# KiCad board austin.kicad_pcb (continued)
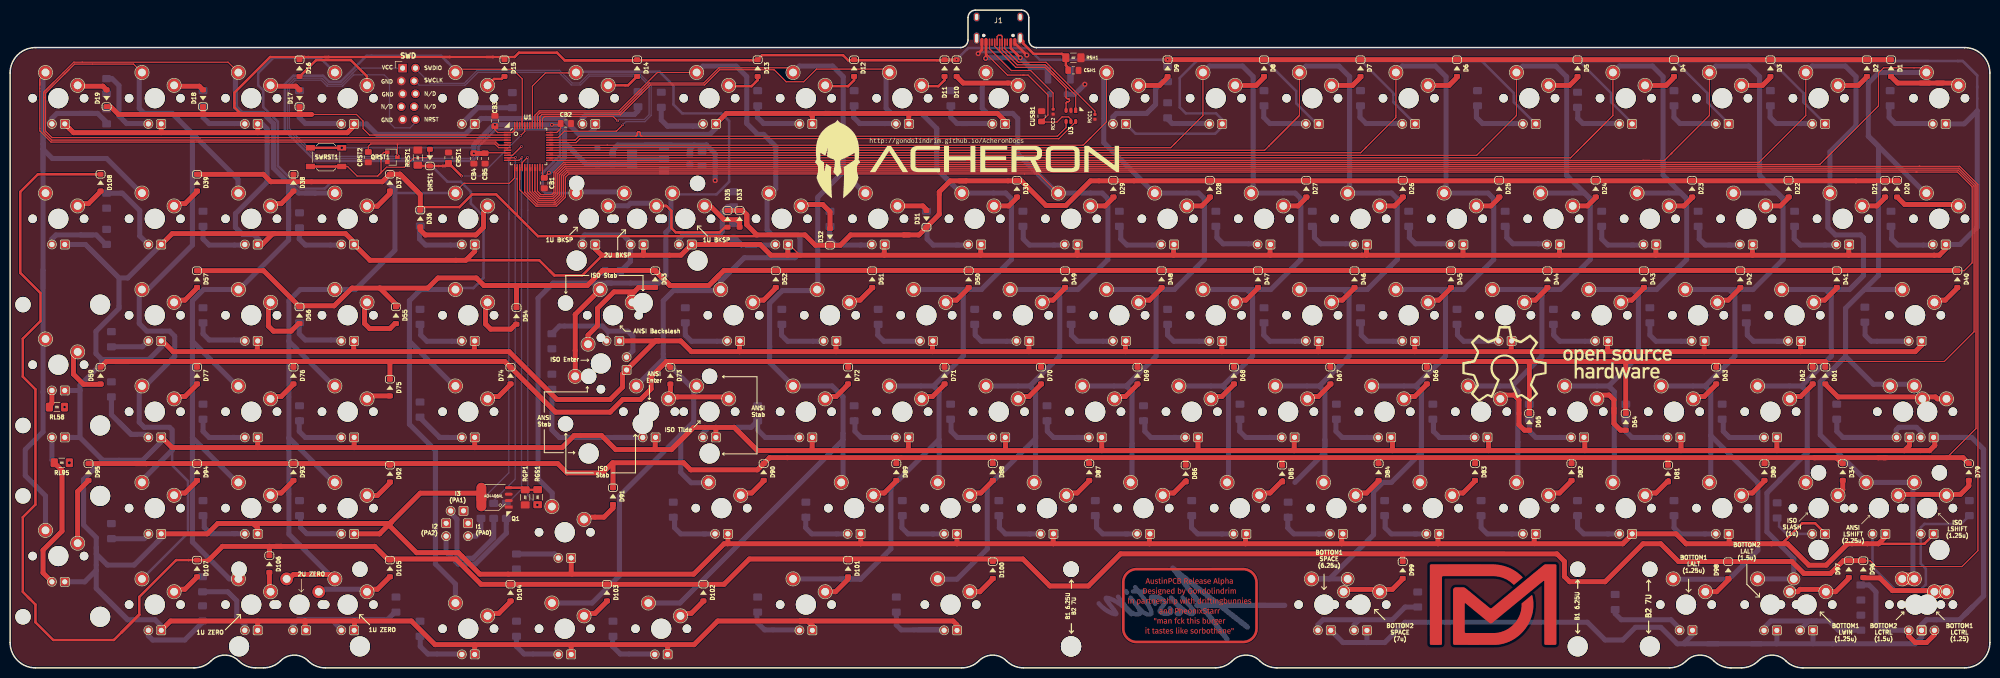
[diagram p0: board, top side]
## Placement (name value [footprint] x y rotation side) (continued)
SW81  MXSwitch  [MX100]  319.09 31.55 0 top
SW82  MXSwitch  [MX100]  300.04 31.55 0 top
SW83  MXSwitch  [MX100]  280.99 31.55 0 top
SW84  MXSwitch  [MX100]  261.94 31.55 0 top
SW85  MXSwitch  [MX100]  242.89 31.55 0 top
SW86  MXSwitch  [MX100]  223.84 31.55 0 top
SW87  MXSwitch  [MX100]  204.79 31.55 0 top
SW88  MXSwitch  [MX100]  185.74 31.55 0 top
SW89  MXSwitch  [MX100]  166.69 31.55 0 top
SW90  MXSwitch  [MX175]  140.49 31.55 0 top
SW91  MXSwitch  [MX100]  109.54 26.78 0 top
SW92  MXSwitch  [MX100]  66.67 31.55 0 top
SW93  MXSwitch  [MX100]  47.62 31.55 0 top
SW94  MXSwitch  [MX100]  28.58 31.55 0 top
SW95  MXSwitch  [MX200RV]  9.53 22.02 270 top
SW96  MXSwitch  [MX125]  378.62 12.5 0 top
SW97  MXSwitch  [MX125#2]  354.81 12.5 0 top
SW98  MXSwitch  [MX125]  330.99 12.5 0 top
SW99  MXSwitch  [MX625R]  259.56 12.5 0 top
SW100  MXSwitch  [MX150]  185.74 12.5 0 top
SW101  MXSwitch  [MX150]  157.16 12.5 0 top
SW102  MXSwitch  [MX100]  128.59 7.73 0 top
SW103  MXSwitch  [MX100]  109.54 7.73 0 top
SW104  MXSwitch  [MX100]  90.49 7.73 0 top
SW105  MXSwitch  [MX100]  66.67 12.5 0 top
SW106  MXSwitch  [MX100]  47.62 12.5 0 top
SW107  MXSwitch  [MX100]  28.58 12.5 0 top
SW108  MXSwitch  [MX100]  9.53 88.7 0 top
SW109  MXSwitch  [MX150]  376.24 12.5 0 top
SW110  MXSwitch  [MX150#2]  347.66 12.5 0 top
SW111  MXSwitch  [MX700R]  266.7 12.5 0 top
SW112  MXSwitch  [MX200]  57.15 12.5 0 top
SW113  MXSwitch  [MX_ISOEnter]  116.68 60.12 0 top
SW114  MXSwitch  [MX100]  138.11 50.6 0 top
SWRST1  SW_Push  [smdPushBtn]  62.4 100.87 0 top
U1  STM32F072_LQFP48  [LQFP-48_7x7mm_P0.5mm]  102.39 102.98 0 top
U2  TLV1117-33  [SOT-223-3_TabPin2]  126 100.51 180 bottom
U3  USBLC6-2SC6  [SOT-23-6]  209.5 109.01 270 top

## Footprints (pads in the part's own frame, mm; a bottom-side part is the same pattern mirrored in y, then rotated)
austinLogo_16x40_Plated
  custom 5.381x4.192 smd: 1(0.508,-1.905)
  custom 23.117x15.042 smd: 1(1.778,5.08)
  custom 4.954x4.287 smd: 1(5.588,0.508)
  custom 11.309x6.272 smd: 1(10.287,-1.143)
  custom 1.175x1.223 smd: 1(12.954,2.413)
C_0805_2012Metric_Pad1.15x1.40mm_HandSolder
  rrect 1.15x1.4 smd: 1(-1.025,0) 2(1.025,0)
D_SOD-123
  rrect 1x1.2 smd: 1(-1.65,0) 2(1.65,0)
driftMechanics_logo
  custom 20.416x15.917 smd: 1(-0.35,-2.1)
  custom 18.321x15.922 smd: 2(-11.4,6.8)
Fuse_1812_4532Metric_Pad1.30x3.40mm_HandSolder
  rrect 1.3x3.4 smd: 1(-2.225,0) 2(2.225,0)
LED_THT_2.54mm
  round 1.524 hole 1.016: A(-1.27,0)
  rrect 1.524x1.524 hole 0.991: K(1.27,0)
LQFP-48_7x7mm_P0.5mm
  rect 1.475x0.3 smd: 1(-4.162,2.75)
  rrect 1.475x0.3 smd: 2(-4.162,2.25) 3(-4.162,1.75) 4(-4.162,1.25) 5(-4.162,0.75) 6(-4.162,0.25) 7(-4.162,-0.25) 8(-4.162,-0.75) 9(-4.162,-1.25) 10(-4.162,-1.75) 11(-4.162,-2.25) 12(-4.162,-2.75) 25(4.162,-2.75) 26(4.162,-2.25) 27(4.162,-1.75) 28(4.162,-1.25) 29(4.162,-0.75) 30(4.162,-0.25) 31(4.162,0.25) 32(4.162,0.75) 33(4.162,1.25) 34(4.162,1.75) 35(4.162,2.25) 36(4.162,2.75)
  rrect 0.3x1.475 smd: 13(-2.75,-4.162) 14(-2.25,-4.162) 15(-1.75,-4.162) 16(-1.25,-4.162) 17(-0.75,-4.162) 18(-0.25,-4.162) 19(0.25,-4.162) 20(0.75,-4.162) 21(1.25,-4.162) 22(1.75,-4.162) 23(2.25,-4.162) 24(2.75,-4.162) 37(2.75,4.162) 38(2.25,4.162) 39(1.75,4.162) 40(1.25,4.162) 41(0.75,4.162) 42(0.25,4.162) 43(-0.25,4.162) 44(-0.75,4.162) 45(-1.25,4.162) 46(-1.75,4.162) 47(-2.25,4.162) 48(-2.75,4.162)
MX100
  round 1.702 hole 1.702 unplated: (-5.08,0) (5.08,0)
  round 3.988 hole 3.988 unplated: (0,0)
  round 2.54 hole 1.525: 1(-2.54,5.08) 2(3.81,2.54)
MX125
  round 1.702 hole 1.702 unplated: (-5.08,0) (5.08,0)
  round 3.988 hole 3.988 unplated: (0,0)
  round 2.54 hole 1.524: 1(-2.54,5.08) 2(3.81,2.54)
MX125#2
  round 1.702 hole 1.702 unplated: (-5.08,0) (5.08,0)
  round 3.988 hole 3.988 unplated: (0,0)
  round 2.2 hole 1.524: 1(-2.54,5.08)
  round 2.54 hole 1.524: 2(3.81,2.54)
MX150
  round 1.702 hole 1.702 unplated: (-5.08,0) (5.08,0)
  round 3.988 hole 3.988 unplated: (0,0)
  round 2.54 hole 1.524: 1(-2.54,5.08) 2(3.81,2.54)
MX150#2
  round 1.702 hole 1.702 unplated: (-5.08,0) (5.08,0)
  round 3.988 hole 3.988 unplated: (0,0)
  round 2.54 hole 1.524: 1(-2.54,5.08)
  round 2.2 hole 1.524: 2(3.81,2.54)
MX175
  round 1.702 hole 1.702 unplated: (-5.08,0) (5.08,0)
  round 3.988 hole 3.988 unplated: (0,0)
  round 2.54 hole 1.524: 1(-2.54,5.08) 2(3.81,2.54)
MX200
  round 3.048 hole 3.048 unplated: (-11.938,6.985) (11.938,6.985)
  round 3.988 hole 3.988 unplated: (-11.938,-8.255) (0,0) (11.938,-8.255)
  round 1.702 hole 1.702 unplated: (-5.08,0) (5.08,0)
  round 2.54 hole 1.524: 1(-2.54,5.08) 2(3.81,2.54)
MX200RV
  round 3.988 hole 3.988 unplated: (-11.938,8.255) (-0.064,0) (11.938,8.255)
  round 3.048 hole 3.048 unplated: (-11.938,-6.985) (11.938,-6.985)
  round 1.702 hole 1.702 unplated: (-0.064,5.08) (-0.064,-5.08)
  round 2.54 hole 1.524: 1(-5.144,-2.54) 2(-2.603,3.81)
MX225
  round 3.048 hole 3.048 unplated: (-11.938,6.985) (11.938,6.985)
  round 3.988 hole 3.988 unplated: (-11.938,-8.255) (0,0) (11.938,-8.255)
  round 1.702 hole 1.702 unplated: (-5.08,0) (5.08,0)
  round 2.54 hole 1.524: 1(-2.54,5.08) 2(3.81,2.54)
MX625R
  round 3.048 hole 3.048 unplated: (-50.038,6.985) (50.038,6.985)
  round 3.988 hole 3.988 unplated: (-50.038,-8.255) (0,0) (50.038,-8.255)
  round 1.702 hole 1.702 unplated: (-5.08,0) (5.08,0)
  round 2.54 hole 1.524: 1(-2.54,5.08)
  round 2.2 hole 1.524: 2(3.81,2.54)
MX700R
  round 3.048 hole 3.048 unplated: (-57.15,6.985) (57.15,6.985)
  round 3.988 hole 3.988 unplated: (-57.15,-8.255) (0,0) (57.15,-8.255)
  round 1.702 hole 1.702 unplated: (-5.08,0) (5.08,0)
  round 2.2 hole 1.524: 1(-2.54,5.08)
  round 2.54 hole 1.524: 2(3.81,2.54)
MX_ISOEnter
  round 3.048 hole 3.048 unplated: (-6.985,11.938) (-6.985,-11.938)
  round 1.702 hole 1.702 unplated: (0,5.08) (0,-5.08)
  round 3.988 hole 3.988 unplated: (0,0) (8.255,11.938) (8.255,-11.938)
  round 2.54 hole 1.524: 1(-5.08,-2.54) 2(-2.54,3.81)
PinHeader_2x05_P2.54mm_Vertical
  rect 1.7x1.7 hole 1: 1(0.127,0)
  oval 1.7x1.7 hole 1: 2(2.667,0) 3(-0.127,-2.54) 4(2.413,-2.54) 5(0.127,-5.08) 6(2.667,-5.08) 7(-0.127,-7.62) 8(2.413,-7.62) 9(0.127,-10.16) 10(2.667,-10.16)
R_0402_1005Metric
  rrect 0.59x0.64 smd: 1(-0.485,0) 2(0.485,0)
R_SMD_1026
  rrect 1.425x1.75 smd: 1(-1.488,0) 2(1.488,0)
smdPushBtn
  rect 1.8x1.1 smd: 1(-3.1,1.85) 1(3.1,1.85) 2(-3.1,-1.85) 2(3.1,-1.85)
SOIC-8
  rect 1.55x0.6 smd: 1(-2.7,1.905)
  rrect 1.55x0.6 smd: 2(-2.7,0.635) 3(-2.7,-0.635) 4(-2.7,-1.905) 5(2.7,-1.905) 6(2.7,-0.635) 7(2.7,0.635) 8(2.7,1.905)
SOT-23
  rect 0.9x0.8 smd: 1(-1,0.95) 2(-1,-0.95) 3(1,0)
SOT-23-6
  rect 1.06x0.65 smd: 1(-1.1,0.95)
  rrect 1.06x0.65 smd: 2(-1.1,0) 3(-1.1,-0.95) 4(1.1,-0.95) 5(1.1,0) 6(1.1,0.95)
SOT-223-3_TabPin2
  rect 2x1.5 smd: 1(-3.15,2.3) 2(-3.15,0) 3(-3.15,-2.3)
  rect 2x3.8 smd: 2(3.15,0)
TYPE-C-31-M-12
  round 0.65 hole 0.65 unplated: (-2.89,-2.051) (2.89,-2.051)
  rrect 0.6x1.45 smd: A1(-3.25,-1.275) A4(-2.45,-1.275) B1(3.25,-1.275) B4(2.45,-1.275)
  rrect 0.3x1.45 smd: A5(-1.25,-1.275) A6(-0.254,-1.275) A7(0.25,-1.275) A8(1.25,-1.275) B5(1.75,-1.275) B6(0.75,-1.275) B7(-0.75,-1.275) B8(-1.75,-1.275)
  oval 1x2.1 hole 0.6x1.7: S(-4.3,-1.5) S(4.3,-1.5)
  oval 1.3x2.4 smd far side: S(-4.3,-1.5) S(4.3,-1.5)
  oval 1x1.6 hole 0.6x1.2: S(-4.3,-5.7) S(4.3,-5.7)
  oval 1.3x1.9 smd far side: S(-4.3,-5.7) S(4.3,-5.7)

## Nets
3.3V: CB1.1 CB2.1 CB3.1 CB4.1 CB5.1 CRO1.2 DS33.2 J5.1 SWRST1.1 U1.1 U1.9 U1.24 U1.36 U1.48 U2.2
5V: CF1.2 DF1.1 DS33.1 F1.1 RF1.1 RL1.1 RL2.1 RL3.1 RL4.1 RL5.1 RL6.1 RL7.1 RL8.1 RL9.1 RL10.1 RL11.1 RL12.1 RL13.1 RL14.1 RL15.1 RL16.1 RL17.1 RL18.1 RL19.1 RL20.1 RL21.1 RL22.1 RL23.1 RL24.1 RL25.1 RL26.1 RL27.1 RL28.1 RL29.1 RL30.1 RL31.1 RL32.1 RL33.1 RL34.1 RL35.1 RL36.1 RL37.1 RL38.1 RL39.1 RL40.1 RL41.1 RL42.1 RL43.1 RL44.1 RL45.1 RL46.1 RL47.1 RL48.1 RL49.1 RL50.1 RL51.1 RL52.1 RL53.1 RL54.1 RL55.1 RL56.1 RL57.1 RL58.1 RL60.1 RL62.1 RL63.1 RL64.1 RL65.1 RL66.1 RL67.1 RL68.1 RL69.1 RL70.1 RL71.1 RL72.1 RL73.1 RL74.1 RL75.1 RL76.1 RL77.1 RL78.1 RL79.1 RL80.1 RL81.1 RL82.1 RL83.1 RL84.1 RL85.1 RL86.1 RL87.1 RL88.1 RL89.1 RL90.1 RL91.1 RL92.1 RL93.1 RL94.1 RL95.1 RL96.1 RL97.1 RL98.1 RL99.1 RL100.1 RL101.1 RL102.1 RL103.1 RL104.1 RL105.1 RL106.1 RL107.1 RL108.1 U2.3
GND: CB1.2 CB2.2 CB3.2 CB4.2 CB5.2 CF1.1 CRO1.1 CRST1.1 CRST2.2 CSH1.1 CUSB1.1 DF1.2 J1.A1 J1.B1 J5.3 J5.5 J5.9 LEDCAPS1.K LEDNUM1.K LEDSCRL1.K Q1.1 Q1.2 Q1.3 QRST1.2 RCC1.1 RCC2.1 RF1.2 RGP1.1 RRST1.2 RSH1.2 U1.8 U1.23 U1.35 U1.47 U2.1 U3.2
VBUS: CUSB1.2 F1.2 J1.A4 J1.B4 U3.5
/LEDK: LED1.K LED2.K LED3.K LED4.K LED5.K LED6.K LED7.K LED8.K LED9.K LED10.K LED11.K LED12.K LED13.K LED14.K LED15.K LED16.K LED17.K LED18.K LED19.K LED20.K LED21.K LED22.K LED23.K LED24.K LED25.K LED26.K LED27.K LED28.K LED29.K LED30.K LED31.K LED32.K LED33.K LED34.K LED35.K LED36.K LED37.K LED38.K LED39.K LED40.K LED41.K LED42.K LED43.K LED44.K LED45.K LED46.K LED47.K LED48.K LED49.K LED50.K LED51.K LED52.K LED53.K LED54.K LED55.K LED56.K LED57.K LED58.K LED59.K LED60.K LED61.K LED62.K LED63.K LED64.K LED65.K LED66.K LED67.K LED68.K LED69.K LED70.K LED71.K LED72.K LED73.K LED74.K LED75.K LED76.K LED77.K LED78.K LED79.K LED80.K LED81.K LED82.K LED83.K LED84.K LED85.K LED86.K LED87.K LED88.K LED89.K LED90.K LED91.K LED92.K LED93.K LED94.K LED95.K LED96.K LED97.K LED98.K LED99.K LED100.K LED101.K LED102.K LED103.K LED104.K LED105.K LED106.K LED107.K LED108.K LED109.K LED110.K LED111.K LED112.K LED113.K LED114.K LED115.K Q1.5 Q1.6 Q1.7 Q1.8
BOOT0: CRST1.2 DRST1.1 RRST1.1 U1.44
Col1: SW1.1 SW20.1 SW40.1 SW58.1 SW60.1 SW61.1 SW79.1 SW96.1 SW109.1 U1.21
Col2: SW2.1 SW21.1 SW41.1 SW62.1 SW78.1 SW97.1 SW110.1 U1.22
Col3: SW3.1 SW22.1 SW42.1 SW63.1 SW80.1 SW98.1 U1.25
Col4: SW4.1 SW23.1 SW43.1 SW64.1 SW81.1 U1.26
Col5: SW5.1 SW24.1 SW44.1 SW65.1 SW82.1 U1.27
Col6: SW6.1 SW25.1 SW45.1 SW66.1 SW83.1 SW99.1 SW111.1 U1.28
Col7: SW7.1 SW26.1 SW46.1 SW67.1 SW84.1 U1.29
Col8: SW8.1 SW27.1 SW47.1 SW68.1 SW85.1 U1.30
Col9: SW9.1 SW28.1 SW48.1 SW69.1 SW86.1 U1.31
Col10: SW10.1 SW29.1 SW49.1 SW70.1 SW87.1 SW100.1 U1.15
Col11: SW11.1 SW30.1 SW50.1 SW71.1 SW88.1 SW101.1 U1.38
Col12: SW12.1 SW31.1 SW51.1 SW72.1 SW89.1 SW102.1 U1.39
Col13: SW13.1 SW32.1 SW52.1 SW73.1 SW90.1 SW103.1 SW114.1 U1.40
Col14: SW14.1 SW33.1 SW53.1 SW91.1 SW113.1 U1.41
Col15: SW15.1 SW34.1 SW35.1 SW54.1 SW74.1 SW104.1 U1.45
Col16: SW16.1 SW36.1 SW55.1 SW75.1 SW92.1 SW105.1 SW112.1 U1.13
Col17: SW17.1 SW37.1 SW56.1 SW76.1 SW93.1 SW106.1 U1.4
Col18: SW18.1 SW38.1 SW57.1 SW77.1 SW94.1 SW107.1 U1.3
Col19: SW19.1 SW39.1 SW59.1 SW95.1 SW108.1 U1.6
D+: U1.33 U3.4
D-: U1.32 U3.6
DBus+: J1.A6 J1.B6 U3.3
DBus-: J1.A7 J1.B7 U3.1
INDICATOR1: RI1.1 U1.10
INDICATOR2: RI2.1 U1.12
INDICATOR3: RI3.1 U1.11
LED_PWM: RGS1.2 U1.16
NRST: CRST2.1 J5.10 QRST1.3 U1.7
Row1: D1.1 D2.1 D3.1 D4.1 D5.1 D6.1 D7.1 D8.1 D9.1 D10.1 D11.1 D12.1 D13.1 D14.1 D15.1 D16.1 D17.1 D18.1 D19.1 U1.2
Row2: D20.1 D21.1 D22.1 D23.1 D24.1 D25.1 D26.1 D27.1 D28.1 D29.1 D30.1 D31.1 D32.1 D33.1 D35.1 D36.1 D37.1 D38.1 D39.1 U1.14
Row3: D40.1 D41.1 D42.1 D43.1 D44.1 D45.1 D46.1 D47.1 D48.1 D49.1 D50.1 D51.1 D52.1 D53.1 D54.1 D55.1 D56.1 D57.1 U1.17
Row4: D59.1 D61.1 D62.1 D63.1 D64.1 D65.1 D66.1 D67.1 D68.1 D69.1 D70.1 D71.1 D72.1 D73.1 D74.1 D75.1 D76.1 D77.1 U1.18
Row5: D34.1 D79.1 D80.1 D81.1 D82.1 D83.1 D84.1 D85.1 D86.1 D87.1 D88.1 D89.1 D90.1 D91.1 D92.1 D93.1 D94.1 D95.1 U1.19
Row6: D96.1 D97.1 D98.1 D99.1 D100.1 D101.1 D102.1 D103.1 D104.1 D105.1 D106.1 D107.1 D108.1 U1.20
SWCLK: J5.4 U1.37
SWDIO: J5.2 U1.34
Net-(CSH1-Pad2): CSH1.2 J1.S RSH1.1
Net-(D1-Pad2): D1.2 SW1.2
Net-(D2-Pad2): D2.2 SW2.2
Net-(D3-Pad2): D3.2 SW3.2
Net-(D4-Pad2): D4.2 SW4.2
Net-(D5-Pad2): D5.2 SW5.2
Net-(D6-Pad2): D6.2 SW6.2
Net-(D7-Pad2): D7.2 SW7.2
Net-(D8-Pad2): D8.2 SW8.2
Net-(D9-Pad2): D9.2 SW9.2
Net-(D10-Pad2): D10.2 SW10.2
Net-(D11-Pad2): D11.2 SW11.2
Net-(D12-Pad2): D12.2 SW12.2
Net-(D13-Pad2): D13.2 SW13.2
Net-(D14-Pad2): D14.2 SW14.2
Net-(D15-Pad2): D15.2 SW15.2
Net-(D16-Pad2): D16.2 SW16.2
Net-(D17-Pad2): D17.2 SW17.2
Net-(D18-Pad2): D18.2 SW18.2
Net-(D19-Pad2): D19.2 SW19.2
Net-(D20-Pad2): D20.2 SW20.2
Net-(D21-Pad2): D21.2 SW21.2
Net-(D22-Pad2): D22.2 SW22.2
Net-(D23-Pad2): D23.2 SW23.2
Net-(D24-Pad2): D24.2 SW24.2
Net-(D25-Pad2): D25.2 SW25.2
Net-(D26-Pad2): D26.2 SW26.2
Net-(D27-Pad2): D27.2 SW27.2
Net-(D28-Pad2): D28.2 SW28.2
Net-(D29-Pad2): D29.2 SW29.2
Net-(D30-Pad2): D30.2 SW30.2
Net-(D31-Pad2): D31.2 SW31.2
Net-(D32-Pad2): D32.2 SW32.2
Net-(D33-Pad2): D33.2 SW33.2
Net-(D34-Pad2): D34.2 SW78.2
Net-(D35-Pad2): D35.2 SW34.2 SW35.2
Net-(D36-Pad2): D36.2 SW36.2
Net-(D37-Pad2): D37.2 SW37.2
Net-(D38-Pad2): D38.2 SW38.2
Net-(D39-Pad2): D39.2 SW39.2
Net-(D40-Pad2): D40.2 SW40.2
Net-(D41-Pad2): D41.2 SW41.2
Net-(D42-Pad2): D42.2 SW42.2
Net-(D43-Pad2): D43.2 SW43.2
Net-(D44-Pad2): D44.2 SW44.2
Net-(D45-Pad2): D45.2 SW45.2
Net-(D46-Pad2): D46.2 SW46.2
Net-(D47-Pad2): D47.2 SW47.2
Net-(D48-Pad2): D48.2 SW48.2
Net-(D49-Pad2): D49.2 SW49.2
Net-(D50-Pad2): D50.2 SW50.2
Net-(D51-Pad2): D51.2 SW51.2
Net-(D52-Pad2): D52.2 SW52.2
Net-(D53-Pad2): D53.2 SW53.2 SW113.2
Net-(D54-Pad2): D54.2 SW54.2
Net-(D55-Pad2): D55.2 SW55.2
Net-(D56-Pad2): D56.2 SW56.2
Net-(D57-Pad2): D57.2 SW57.2
Net-(D59-Pad2): D59.2 SW59.2
Net-(D61-Pad2): D61.2 SW60.2 SW61.2
Net-(D62-Pad2): D62.2 SW62.2
Net-(D63-Pad2): D63.2 SW63.2
Net-(D64-Pad2): D64.2 SW64.2
Net-(D65-Pad2): D65.2 SW65.2
Net-(D66-Pad2): D66.2 SW66.2
Net-(D67-Pad2): D67.2 SW67.2
Net-(D68-Pad2): D68.2 SW68.2
Net-(D69-Pad2): D69.2 SW69.2
Net-(D70-Pad2): D70.2 SW70.2
Net-(D71-Pad2): D71.2 SW71.2
Net-(D72-Pad2): D72.2 SW72.2
Net-(D73-Pad2): D73.2 SW73.2 SW114.2
Net-(D74-Pad2): D74.2 SW74.2
Net-(D75-Pad2): D75.2 SW75.2
Net-(D76-Pad2): D76.2 SW76.2
Net-(D77-Pad2): D77.2 SW77.2
Net-(D79-Pad2): D79.2 SW58.2 SW79.2
Net-(D80-Pad2): D80.2 SW80.2
Net-(D81-Pad2): D81.2 SW81.2
Net-(D82-Pad2): D82.2 SW82.2
Net-(D83-Pad2): D83.2 SW83.2
Net-(D84-Pad2): D84.2 SW84.2
Net-(D85-Pad2): D85.2 SW85.2
Net-(D86-Pad2): D86.2 SW86.2
Net-(D87-Pad2): D87.2 SW87.2
Net-(D88-Pad2): D88.2 SW88.2
Net-(D89-Pad2): D89.2 SW89.2
Net-(D90-Pad2): D90.2 SW90.2
Net-(D91-Pad2): D91.2 SW91.2
Net-(D92-Pad2): D92.2 SW92.2
Net-(D93-Pad2): D93.2 SW93.2
Net-(D94-Pad2): D94.2 SW94.2
Net-(D95-Pad2): D95.2 SW95.2
Net-(D96-Pad2): D96.2 SW96.2 SW109.2
Net-(D97-Pad2): D97.2 SW97.2 SW110.2
Net-(D98-Pad2): D98.2 SW98.2
Net-(D99-Pad2): D99.2 SW99.2 SW111.2
Net-(D100-Pad2): D100.2 SW100.2
Net-(D101-Pad2): D101.2 SW101.2
Net-(D102-Pad2): D102.2 SW102.2
Net-(D103-Pad2): D103.2 SW103.2
Net-(D104-Pad2): D104.2 SW104.2
Net-(D105-Pad2): D105.2 SW105.2 SW112.2
Net-(D106-Pad2): D106.2 SW106.2
Net-(D107-Pad2): D107.2 SW107.2
Net-(D108-Pad2): D108.2 SW108.2
Net-(DRST1-Pad2): DRST1.2 QRST1.1 SWRST1.2
Net-(J1-PadA5): J1.A5 RCC1.2
Net-(J1-PadA8): J1.A8
Net-(J1-PadB5): J1.B5 RCC2.2
Net-(J1-PadB8): J1.B8
Net-(J5-Pad6): J5.6
Net-(J5-Pad7): J5.7
Net-(J5-Pad8): J5.8
Net-(LED1-PadA): LED1.A RL1.2
Net-(LED2-PadA): LED2.A RL2.2
Net-(LED3-PadA): LED3.A RL3.2
Net-(LED4-PadA): LED4.A RL4.2
Net-(LED5-PadA): LED5.A RL5.2
Net-(LED6-PadA): LED6.A RL6.2
Net-(LED7-PadA): LED7.A RL7.2
Net-(LED8-PadA): LED8.A RL8.2
Net-(LED9-PadA): LED9.A RL9.2
Net-(LED10-PadA): LED10.A RL10.2
Net-(LED11-PadA): LED11.A RL11.2
Net-(LED12-PadA): LED12.A RL12.2
Net-(LED13-PadA): LED13.A RL13.2
Net-(LED14-PadA): LED14.A RL14.2
Net-(LED15-PadA): LED15.A RL15.2
Net-(LED16-PadA): LED16.A RL16.2
Net-(LED17-PadA): LED17.A RL17.2
Net-(LED18-PadA): LED18.A RL18.2
Net-(LED19-PadA): LED19.A RL19.2
Net-(LED20-PadA): LED20.A RL20.2
Net-(LED21-PadA): LED21.A RL21.2
Net-(LED22-PadA): LED22.A RL22.2
Net-(LED23-PadA): LED23.A RL23.2
Net-(LED24-PadA): LED24.A RL24.2
Net-(LED25-PadA): LED25.A RL25.2
Net-(LED26-PadA): LED26.A RL26.2
Net-(LED27-PadA): LED27.A RL27.2
Net-(LED28-PadA): LED28.A RL28.2
Net-(LED29-PadA): LED29.A RL29.2
Net-(LED30-PadA): LED30.A RL30.2
Net-(LED31-PadA): LED31.A RL31.2
Net-(LED32-PadA): LED32.A RL32.2
Net-(LED33-PadA): LED33.A RL33.2
Net-(LED34-PadA): LED34.A LED35.A RL34.2
Net-(LED36-PadA): LED36.A RL36.2
Net-(LED37-PadA): LED37.A RL37.2
Net-(LED38-PadA): LED38.A RL38.2
Net-(LED39-PadA): LED39.A RL39.2
Net-(LED40-PadA): LED40.A RL40.2
Net-(LED41-PadA): LED41.A RL41.2
Net-(LED42-PadA): LED42.A RL42.2
Net-(LED43-PadA): LED43.A RL43.2
Net-(LED44-PadA): LED44.A RL44.2
Net-(LED45-PadA): LED45.A RL45.2
Net-(LED46-PadA): LED46.A RL46.2
Net-(LED47-PadA): LED47.A RL47.2
Net-(LED48-PadA): LED48.A RL48.2
Net-(LED49-PadA): LED49.A RL49.2
Net-(LED50-PadA): LED50.A RL50.2
Net-(LED51-PadA): LED51.A RL51.2
Net-(LED52-PadA): LED52.A RL52.2
Net-(LED54-PadA): LED54.A RL54.2
Net-(LED55-PadA): LED55.A RL55.2
Net-(LED56-PadA): LED56.A RL56.2
Net-(LED57-PadA): LED57.A RL57.2
Net-(LED58-PadA): LED58.A RL58.2
Net-(LED59-PadA): LED59.A LED79.A RL79.2
Net-(LED60-PadA): LED60.A LED61.A RL60.2
Net-(LED62-PadA): LED62.A RL62.2
Net-(LED63-PadA): LED63.A RL63.2
Net-(LED64-PadA): LED64.A RL64.2
Net-(LED65-PadA): LED65.A RL65.2
Net-(LED66-PadA): LED66.A RL66.2
Net-(LED67-PadA): LED67.A RL67.2
Net-(LED68-PadA): LED68.A RL68.2
Net-(LED69-PadA): LED69.A RL69.2
Net-(LED70-PadA): LED70.A RL70.2
Net-(LED71-PadA): LED71.A RL71.2
Net-(LED73-PadA): LED73.A RL73.2
Net-(LED74-PadA): LED74.A RL74.2
Net-(LED75-PadA): LED75.A RL75.2
Net-(LED76-PadA): LED76.A RL76.2
Net-(LED77-PadA): LED77.A RL77.2
Net-(LED78-PadA): LED78.A RL78.2
Net-(LED80-PadA): LED80.A RL80.2
Net-(LED81-PadA): LED81.A RL81.2
Net-(LED82-PadA): LED82.A RL82.2
Net-(LED83-PadA): LED83.A RL83.2
Net-(LED84-PadA): LED84.A RL84.2
Net-(LED85-PadA): LED85.A RL85.2
Net-(LED86-PadA): LED86.A RL86.2
Net-(LED87-PadA): LED87.A RL87.2
Net-(LED88-PadA): LED88.A RL88.2
Net-(LED89-PadA): LED89.A RL89.2
Net-(LED90-PadA): LED90.A RL90.2
Net-(LED91-PadA): LED91.A RL91.2
Net-(LED92-PadA): LED92.A RL92.2
Net-(LED93-PadA): LED93.A RL93.2
Net-(LED94-PadA): LED94.A RL94.2
Net-(LED95-PadA): LED95.A RL95.2
Net-(LED96-PadA): LED96.A RL35.2
Net-(LED98-PadA): LED98.A RL98.2
Net-(LED100-PadA): LED100.A RL100.2
Net-(LED101-PadA): LED101.A RL101.2
Net-(LED102-PadA): LED102.A RL102.2
Net-(LED103-PadA): LED103.A RL103.2
Net-(LED104-PadA): LED104.A RL104.2
Net-(LED105-PadA): LED105.A LED112.A RL105.2
Net-(LED106-PadA): LED106.A RL106.2
Net-(LED107-PadA): LED107.A RL107.2
Net-(LED108-PadA): LED108.A RL108.2
Net-(LED109-PadA): LED109.A LED113.A RL96.2
Net-(LED110-PadA): LED97.A LED110.A RL97.2
Net-(LED111-PadA): LED99.A LED111.A RL99.2
Net-(LED114-PadA): LED53.A LED114.A RL53.2
Net-(LED115-PadA): LED72.A LED115.A RL72.2
Net-(LEDCAPS1-PadA): LEDCAPS1.A RI3.2
Net-(LEDNUM1-PadA): LEDNUM1.A RI2.2
Net-(LEDSCRL1-PadA): LEDSCRL1.A RI1.2
Net-(Q1-Pad4): Q1.4 RGP1.2 RGS1.1
Net-(U1-Pad5): U1.5
Net-(U1-Pad42): U1.42
Net-(U1-Pad43): U1.43
Net-(U1-Pad46): U1.46

Pads without a net: L1 1 2; L4 1

## Via types
v1: diameter 1, hole 0.5, Top to Bottom, 9 vias
v2: diameter 0.5, hole 0.3, Top to Bottom, 11 vias
v3: diameter 1, hole 0.6, Top to Bottom, 1 via
v4: diameter 0.8, hole 0.4, Top to Bottom, 4 vias

## Routing (per net, layer and track width the routed paths; a pad name or vN(x,y) marks a point on that pad's centre or on a via; arc(x,y) is an arc through that point)
3.3V: length 187.7
  Top w0.25: v1(65.5,102.72) 65.85,102.72 ; U1.9 93.75,101.73 ; 105.38,96.78 v4(106.4,97.81) ; 99.22,105.73 99.64,106.16 U1.48 ; 99.22,105.73 U1.1 96.28,105.73 95.75,106.26 CB3.1 ; 99.22,105.73 99.6,106.12 ; v4(107,107.26) 108.5,107.26 ; v4(91.59,101.61) 91.02,101.61 ; 105.14,97.01 105.14,98.93 ; 91.5,101.61 91.6,101.71 ; 106.8,105.76 106.78,105.73 U1.36 107.95,105.73 108.73,106.51 CB2.1
  Top w0.5: SWRST1.1 65.18,102.72
  Top w1: 91.79,101.61 93.79,101.61
  Bottom w0.25: 77.39,118.46 68.67,118.46 67.36,117.16 ; 78.29,100.64 77.86,100.64 ; 78.29,100.64 60.47,100.64 54.76,106.36 54.76,115.05 56.16,116.45 61.59,116.45 62.79,115.25 65.46,115.25 67.71,117.5 ; 78.29,100.64 91.16,100.64 91.5,100.99 91.5,101.52 v4(91.59,101.61) ; v1(65.5,102.72) 75.81,102.72 ; 75.81,102.72 76.97,102.72 ; 75.81,102.72 91.01,102.72 92.12,103.83
  Bottom w1: 129.5,100.51 U2.2 122.85,99.86 122.5,99.51 113.75,99.51 111.13,102.13 ; 111.73,101.53 111.13,102.13 ; 111.13,102.13 109.5,103.76 ; 95.55,107.26 91.59,103.3 v4(91.59,101.61) ; 95.55,107.26 108.68,107.26 109.5,106.44 109.5,103.76 ; 95.55,107.26 94.6,106.31 ; 109.5,103.76 109.5,100.86 106.42,97.79 ; 122.48,101.53 122.5,101.51
  vias: v4(95.75,107.26)
5V:
  vias: v1(10.75,51.51) v3(11.7,40.51)
GND: length 58.7
  Top w0.5: J1.A1 198.43,123.37 v1(200.79,121.02) ; v1(191.19,121.32) 191.91,122.04 191.91,124.1 J1.B1
  Bottom w0.5: v1(200.79,121.02) 200.15,121.65 191.52,121.65 v1(191.19,121.32)
  Bottom w1: 135.11,103.26 137.52,103.26 ; 135.11,103.26 125.45,103.26 ; 135.11,103.26 134.25,102.4 CF1.1 ; 137.52,103.26 139.25,101.53 139.25,98.98 ; 137.52,103.26 137.47,103.26 136.65,102.44 RF1.2 ; 139.25,98.98 139.25,99.76 ; 139.25,98.98 v1(139.25,96.26) ; 125.45,103.26 120,103.26 119,102.26 CRO1.1 ; 125.45,103.26 130.7,103.26 ; DF1.2 210.27,113.28 v1(212.25,115.26)
VBUS: length 52.9
  Top w0.25: 192.79,121.27 196.98,117.08 200.03,117.08 ; U3.5 209.5,108.37 209.04,108.83 207.77,108.83 206.76,107.81 203.07,107.81 ; 203.84,108.06 204.98,109.21 204.98,113.14 201.04,117.08 200.03,117.08 ; 200.03,117.08 200.28,117.08
  Top w0.5: 198.75,121.27 198.88,121.15 ; 198.75,121.27 197.63,122.39 J1.A4 ; 198.75,121.27 v1(199.52,120.51) ; 192.73,121.98 J1.B4 192.73,122.36 ; 192.73,121.98 192.73,120.38 ; 192.73,121.98 192.73,121.27
  Bottom w1: 192.79,120.51 v1(199.52,120.51) 201.4,118.63 201.4,118.61 204.5,118.61 205,118.11
  vias: v1(192.66,120.38)
/LEDK: length 2923.9
  Top w0.25: LED20.K 382.27,82.76 ; 93,31.21 93.08,31.28 ; 116.82,81.51 117,81.51 ; 60.4,105.71 66.6,105.71 ; 156,81.51 154,83.51 ; 110.81,18.7 111,18.51
  Top w0.5: 347.84,24.51 349.13,24.51 ; 358.52,26.53 356.49,28.56 353.95,28.56 349.9,24.51 344.82,24.51 ; 91.76,83.25 91.76,82.25 ; 379.83,26.28 378.06,24.51 366.76,24.51 ; 88,80.51 104.5,80.51 107.5,77.51 ; 107.5,77.51 113,77.51 117,81.51 ; 107.5,77.51 106.5,78.51 ; 120.5,81.51 118.59,81.51
  Top w1: 58.25,7.51 58.25,9.35 ; 68,7.51 68,9.35 ; 153.59,83.62 153.59,81.51 ; 172.64,83.62 172.64,81.51 ; 191.69,83.62 191.69,81.51 ; 210.74,83.62 210.74,81.51 ; 229.79,83.62 229.79,81.51 ; 248.84,83.62 248.84,81.51 ; 267.89,83.62 267.89,81.51 ; 286.94,83.62 286.94,81.51 ; 305.99,83.62 305.99,81.51 ; 325.04,83.62 325.04,81.51 ; 344.09,83.62 344.09,81.51 ; 363.14,83.62 363.14,81.51 ; 315.52,64.57 315.52,62.46 ; 277.42,64.57 277.42,62.46 ; 296.47,64.57 296.47,62.46 ; 334.57,64.57 334.57,62.46 ; 353.62,64.57 353.62,62.46 ; 182.17,64.57 182.17,62.46 ; 220.27,64.57 220.27,62.46 ; 258.37,64.57 258.37,62.46 ; 239.32,64.57 239.32,62.46 ; 201.22,64.57 201.22,62.46 ; 163.12,64.57 163.12,62.46 ; 144.07,64.57 144.07,62.46 ; 144.07,62.46 376.26,62.46 377.51,63.71 LED40.K ; 144.07,62.46 134.55,62.46 132.44,64.57 128.06,64.57 ; 91.68,64.88 91.68,62.77 ; 67.87,64.88 67.87,62.77 ; 48.82,64.88 48.82,62.77 ; 168,26.47 168,24.51 ; 187,26.47 187,24.51 ; 206,26.47 206,24.51 ; 225,26.47 225,24.51 ; 244,26.47 244,24.51 ; 263,26.47 263,24.51 ; 282,26.47 282,24.51 ; 301,26.51 301,24.55 ; 339.5,26.51 339.5,24.55 ; 330,45.52 330,42.91 ; 311,45.52 311,42.91 ; 292,45.52 292,42.91 ; 273,45.51 273,42.9 ; 253.6,45.51 253.6,42.9 ; 234.6,45.71 234.6,43.1 ; 215.6,45.51 215.6,42.9 ; 196.6,45.71 196.6,43.1 ; 177.4,45.71 177.4,43.1 ; 158.4,45.72 158.4,43.11 ; 127.4,43.1 127.4,45.71 ; 380.13,45.52 380.13,43.94 379.1,42.91 374.1,42.91 ; 177.5,109.51 195,109.51 197,107.51 ; 177.5,109.51 161,109.51 ; 177.5,109.51 177.48,109.49 LED11.K ; LED38.K 49.76,83.62 51.89,85.76 ; 147.6,42.91 143,47.51 135,47.51 130.6,43.11 ; 147.6,42.91 374.1,42.91 ; 147.6,42.91 143.4,47.11 ; LED74.K 91.76,43.51 ; 47,28.51 48,28.51 48.89,27.61 LED93.K ; 47,28.51 75,28.51 75.3,28.81 ; 47,28.51 41,28.51 38.96,26.47 LED94.K ; LED34.K 125.1,81.51 ; 68,107.11 66.6,105.71 12.52,105.71 LED19.K ; LED53.K 128.06,64.57 ; 128.06,64.57 127.48,64.57 LED114.K 120.96,58.05 120.96,55.47 118.5,53.01 108,53.01 98.55,62.46 32.19,62.46 29.77,64.88 ; LED62.K 348.93,42.91 ; 117,81.51 132.5,81.51 134.5,83.51 ; LED33.K 148.14,83.62 150.25,81.51 381.02,81.51 382.27,82.76 ; 30,45.51 32,43.51 109,43.51 111.4,45.91 116.8,45.91 119.6,43.11 130.6,43.11 ; LED81.K 329.04,26.47 331,24.51 351.02,24.51 355.24,20.28 358.67,20.28 362.9,24.51 369,24.51 370.5,26.01 ; 161,109.51 158,109.51 ; 161,109.51 161.83,109.51 ; 374.1,42.91 375.13,43.94 LED60.K ; 156,9.26 139.75,9.26 135.08,4.59 83.92,4.59 79.25,9.26 31.68,9.26 LED107.K ; 156,9.26 186.25,9.26 187,8.51 187,7.76 ; 156,9.26 157.5,9.26 158.5,8.26 158.5,7.51 ; LED91.K 110.81,18.7 ; LED12.K 158.43,109.08 158,109.51 ; 75.3,28.81 74.8,28.31 ; 75.3,28.81 81,34.51 93,34.51 ; LED103.K 110.81,4.59 ; LED76.K 48.89,43.51 ; LED18.K 29.84,105.71 ; 158,109.51 141.46,109.51 LED13.K ; LED35.K 115.57,82.76 116.82,81.51 ; 74.8,28.31 74.8,28.21 80.25,22.76 88.52,22.76 92.77,18.51 135,18.51 141,24.51 318.5,24.51 320.5,26.51 ; 74.8,28.31 72.96,26.47 LED92.K ; LED102.K 129.86,4.59 ; LED90.K 141.76,24.51 ; LED17.K 48.89,105.71 ; LED37.K 71.06,80.51 90,80.51 91.76,82.27 LED36.K ; 130.6,43.11 134.6,47.11 ; LED106.K 48.89,9.26 ; 29.75,83.51 32,85.76 66.25,85.76 68,84.01 ; LED104.K 91.76,4.59 ; LED75.K 67.95,43.51 ; LED115.K 139.38,47.51
  Top w2: 93.08,34.06 93.08,31.91 ; Q1.5 93.08,33.43
  Bottom w0.25: 115.49,106.56 115.49,107.75 ; LED77.K 29.84,44.66
  Bottom w0.5: 297,111.73 297,113.11 ; 297,111.73 301.3,107.43 ; 297,111.73 297,113.51 290.65,119.86 ; 309.85,119.86 316.2,113.51 316.2,111.73 ; 316.2,111.73 316.2,113.11 ; 316.2,111.73 320.5,107.43 ; 328.85,119.86 335.2,113.51 335.2,111.73 ; 339.5,107.43 335.2,111.73 ; 335.2,111.73 335.2,113.11 ; 358.5,107.43 354.2,111.73 ; 354.2,111.73 354.2,113.11 ; 354.2,111.73 354.2,113.51 347.85,119.86 ; 388.5,114.93 388.5,110.01 ; 388.5,114.55 388.5,117.01 ; 388.5,117.01 385.93,119.58 ; 388.5,117.01 385.65,119.86 384.65,119.86 ; 258,107.51 254,111.51 254,113.91 248.05,119.86 247.55,119.86 ; 247.55,119.86 266.85,119.86 ; 247.55,119.86 234.35,119.86 231,116.51 231,110.71 232.2,109.51 238.18,109.51 239.4,108.3 239.4,107.43 ; 266.85,119.86 378.8,119.86 ; 266.85,119.86 273.2,113.51 273.2,111.73 LED6.K ; LED9.K 222.27,105.51 238,105.51 239.5,107.01 ; 273.55,119.86 384.65,119.86 ; 384.65,119.86 385.5,119.86 ; 385.73,107.43 385.93,107.43
  Bottom w1: 387.5,12.01 386,10.51 ; 29.84,44.66 26.19,41.01 18.3,41.01 ; LED16.K 70.36,107.43 72.43,105.37 89.86,105.37 93,108.51 ; 13.8,54.81 13.8,55.81 18.1,60.11 18.1,60.91 ; 13.8,54.81 13.78,54.79 LED58.K ; 13.8,54.81 13.8,45.51 ; 114.3,105.37 115.49,106.56 ; 114.3,105.37 112.34,105.37 109.2,108.51 93,108.51 ; 114.3,105.37 138.18,105.37 139.38,106.57 LED13.K ; 49,83.61 49,84.71 48.1,85.61 45.9,85.61 44.5,87.01 44.5,89.71 50.75,95.96 50.75,106.44 49.76,107.43 LED17.K ; 337.25,4.76 335.25,4.76 ; 337.25,4.76 345.75,4.76 ; 337.25,4.76 330.75,4.76 ; LED61.K 387.41,45.52 389.76,43.17 389.76,14.21 386.36,10.81 386.3,10.81 385,9.51 380.5,9.51 ; LED107.K 29.84,8.28 28.62,9.51 23.2,9.51 ; 344,4.76 345.75,4.76 ; 345.75,4.76 376.25,4.76 377.51,6.02 LED113.K ; LED39.K 23.23,77.01 21.5,77.01 ; 377.5,7.51 377.5,8.51 378.5,9.51 380.5,9.51 ; 18.1,60.91 27.4,60.91 30,63.51 30,64.51 ; 18.1,60.91 16.95,62.06 16.95,66.46 21.5,71.01 21.5,77.01 ; LED111.K 267.97,5.01 ; 330.75,4.76 329.25,4.76 326,8.01 321,8.01 318.5,5.51 315,5.51 311.5,9.01 275.5,9.01 271.5,5.01 263.24,5.01 LED99.K ; 330.75,4.76 330.75,5.05 332.26,6.56 LED98.K ; LED110.K 348.93,4.76 ; 12.5,45.51 11.6,45.51 ; 11.6,45.51 11,45.51 ; 11.6,45.51 13.8,45.51 ; 380.5,9.51 380,9.51 ; LED1.K 385.73,107.43 ; 93,108.51 92,107.51 ; LED20.K 385.11,83.62 388.5,87.01 388.5,110.01 385.93,107.43 ; LED94.K 29.84,25.66 ; 29.84,25.66 24.49,20.31 19.2,20.31 17.01,22.5 17.01,23.77 ; 29.84,25.66 28.91,24.73 ; 23.2,9.51 18.69,14.02 ; 23.2,9.51 17.01,15.7 17.01,19.27 ; LED95.K 14.74,17 17.01,19.27 ; 21.5,77.01 14.89,83.62 LED108.K ; 13.8,45.51 18.3,41.01 ; 17.01,19.27 17.01,23.77 ; 18.3,41.01 14.5,37.21 14.5,28.23 17.01,25.72 17.01,23.77 ; LED97.K 356.07,4.76
BOOT0: length 28.9
  Top w0.25: v2(100.84,105.14) 101.64,105.95 U1.44
  Top w0.5: 86.58,99.78 85.93,99.13 85.42,99.13 ; DRST1.1 81.93,99.13 ; 81.93,99.13 80.83,99.13 ; 81.93,99.13 85.42,99.13 ; 85.42,99.13 87.17,99.13 v2(89.15,97.14)
  Bottom w0.25: v2(100.84,105.14) 92.84,97.14 v2(89.15,97.14)
